# KiCad board Boom-1.kicad_pcb
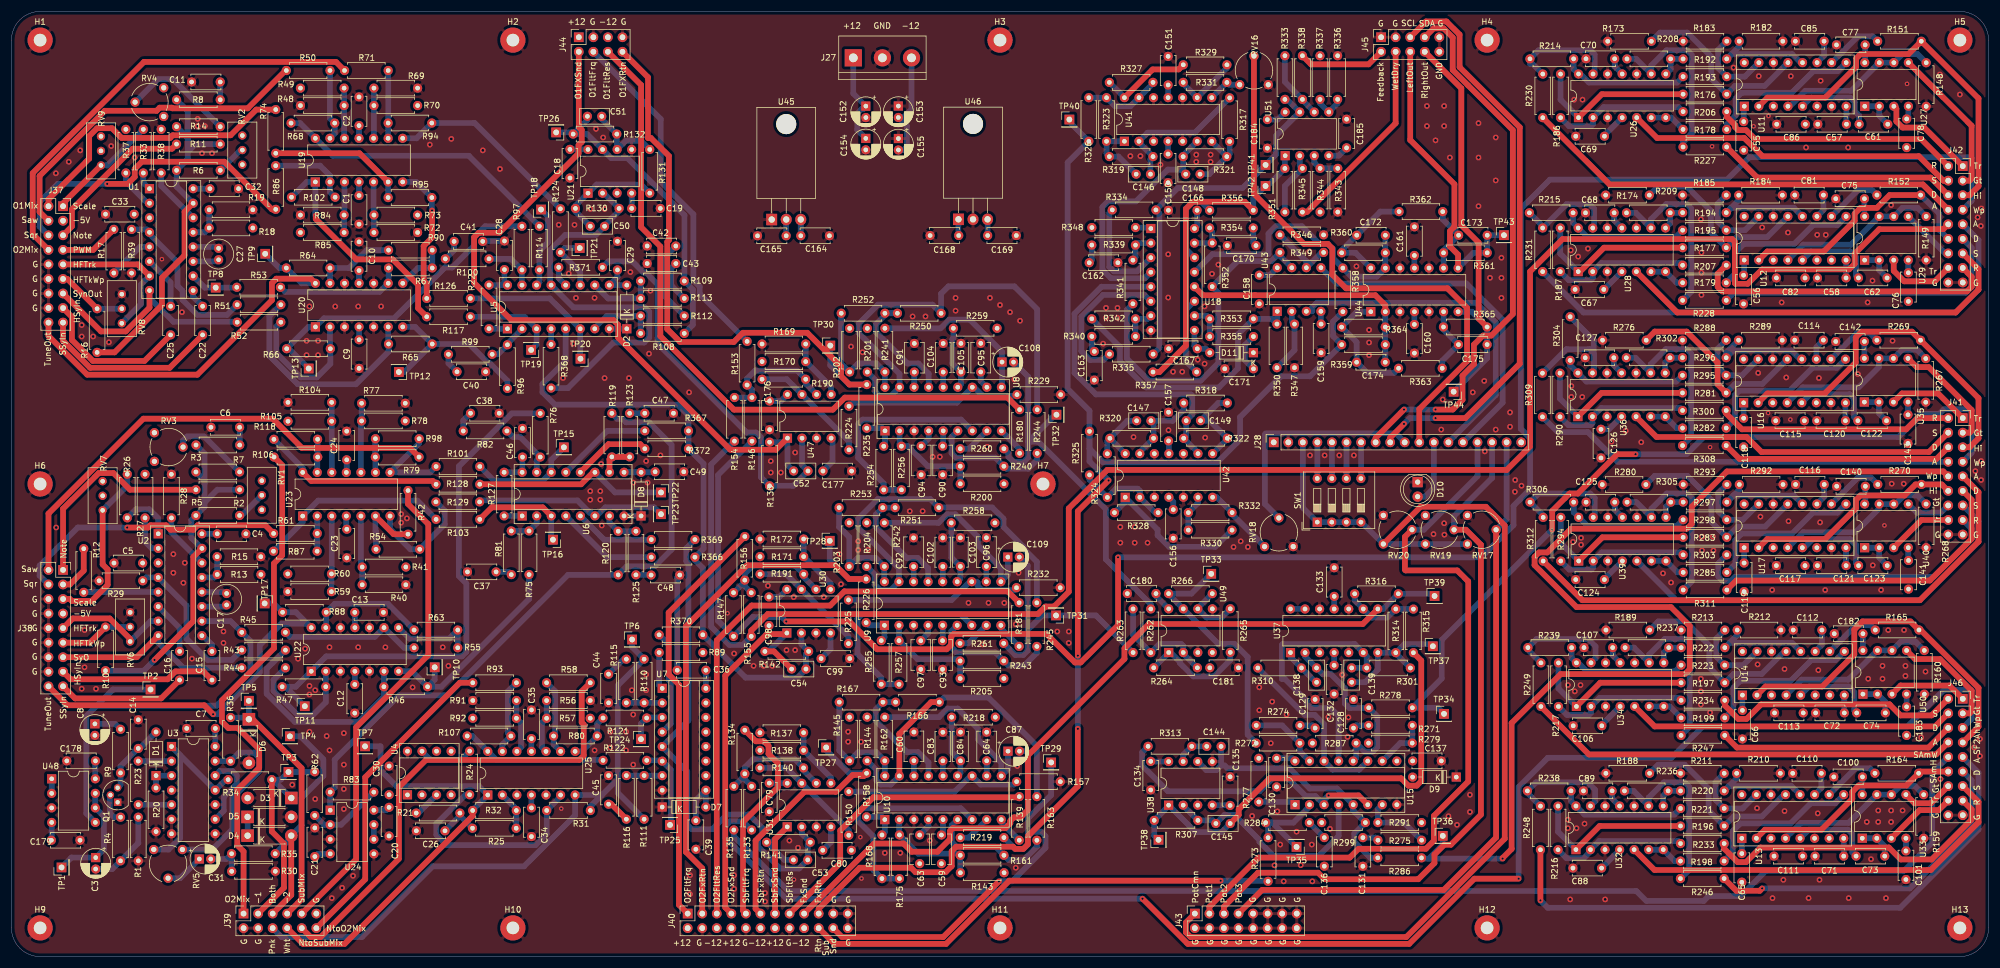
[diagram p0: board, top side]
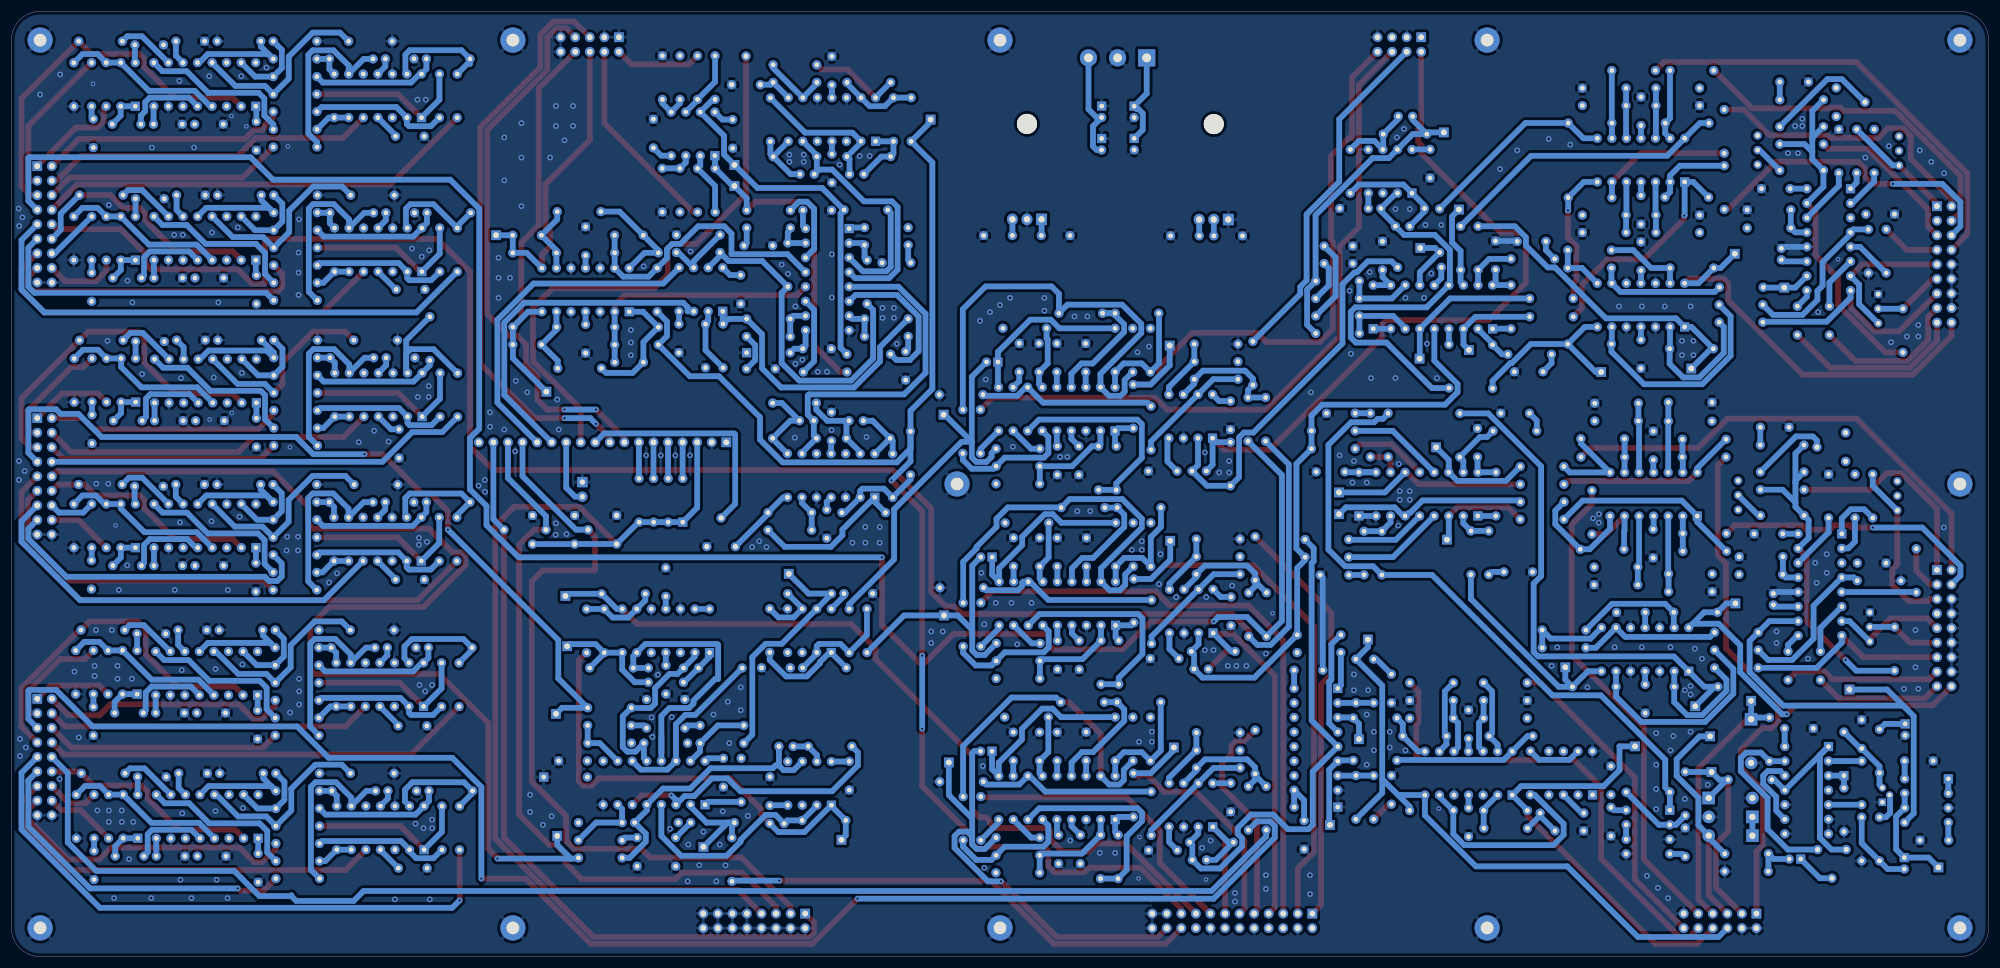
[diagram p1: board, bottom side, seen from below]

Outline 345 x 165 mm; copper layers: Top, +12V.Cu (plane), -12V.Cu (plane), Bottom. Coordinates in mm from the lower left corner of the outline.
Outline path: 0,160 arc(1.46,163.54) 5,165 340,165 arc(343.54,163.54) 345,160 345,5 arc(343.54,1.46) 340,0 5,0 arc(1.46,1.46) 0,5 0,160

## Placement (name value [footprint] x y rotation side)
C1  100nF  [C_Disc_D5.0mm_W2.5mm_P5.00mm]  60.65 127.87 90 top
C2  100nF  [C_Disc_D5.0mm_W2.5mm_P5.00mm]  60.65 145.08 90 top
C3  47uF  [CP_Radial_D5.0mm_P2.00mm]  14.7 17.28 270 top
C4  100nF  [C_Disc_D5.0mm_W2.5mm_P5.00mm]  35.91 73.81 0 top
C5  100nF  [C_Disc_D5.0mm_W2.5mm_P5.00mm]  17.89 68.71 0 top
C6  10nF  [C_Disc_D5.0mm_W2.5mm_P5.00mm]  34.81 92.41 0 top
C7  100nF  [C_Disc_D5.0mm_W2.5mm_P5.00mm]  30.58 39.83 0 top
C8  100uF  [CP_Radial_D5.0mm_P2.00mm]  14.56 40.62 270 top
C9  100nF  [C_Disc_D5.0mm_W2.5mm_P5.00mm]  60.66 102.69 90 top
C10  100nF  [C_Disc_D5.0mm_W2.5mm_P5.00mm]  60.65 119.77 90 top
C11  10nF  [C_Disc_D5.0mm_W2.5mm_P5.00mm]  31.43 152.69 0 top
C12  100nF  [C_Disc_D5.0mm_W2.5mm_P5.00mm]  59.91 42.5 90 top
C13  100nF  [C_Disc_D5.0mm_W2.5mm_P5.00mm]  59.91 60.09 0 top
C14  10nF  [C_Disc_D5.0mm_W2.5mm_P5.00mm]  22.13 36.33 90 top
C15  10nF  [C_Disc_D5.0mm_W2.5mm_P5.00mm]  34.98 48.28 90 top
C16  10nF  [C_Disc_D5.0mm_W2.5mm_P5.00mm]  29.34 48.28 90 top
C17  1000pF  [C_Radial_D5.0mm_H11.0mm_P2.00mm]  37.55 63.39 270 top
C18  100nF  [C_Disc_D5.0mm_W2.5mm_P5.00mm]  97.46 135.92 90 top
C19  100nF  [C_Disc_D5.0mm_W2.5mm_P5.00mm]  108.23 130.61 0 top
C20  100nF  [C_Disc_D5.0mm_W2.5mm_P5.00mm]  65.89 21.05 90 top
C21  100nF  [C_Disc_D5.0mm_W2.5mm_P5.00mm]  52.94 17.46 90 top
C22  10nF  [C_Disc_D5.0mm_W2.5mm_P5.00mm]  33.35 108.53 90 top
C23  100nF  [C_Disc_D5.0mm_W2.5mm_P5.00mm]  58.52 69.61 90 top
C24  100nF  [C_Disc_D5.0mm_W2.5mm_P5.00mm]  58.5 86.72 90 top
C25  10nF  [C_Disc_D5.0mm_W2.5mm_P5.00mm]  27.77 108.53 90 top
C26  10nF  [C_Disc_D5.0mm_W2.5mm_P5.00mm]  75.65 21.95 180 top
C27  1000pF  [C_Radial_D5.0mm_H11.0mm_P2.00mm]  36.15 123.64 270 top
C28  100nF  [C_Disc_D5.0mm_W2.5mm_P5.00mm]  86.03 119.93 90 top
C29  100nF  [C_Disc_D5.0mm_W2.5mm_P5.00mm]  105.75 124.87 270 top
C30  100nF  [C_Disc_D5.0mm_W2.5mm_P5.00mm]  65.9 28.25 90 top
C31  47uF  [CP_Radial_D5.0mm_P2.00mm]  32.78 17.03 0 top
C32  100nF  [C_Disc_D5.0mm_W2.5mm_P5.00mm]  34.62 134.06 0 top
C33  100nF  [C_Disc_D5.0mm_W2.5mm_P5.00mm]  16.41 129.61 0 top
C34  100nF  [C_Disc_D5.0mm_W2.5mm_P5.00mm]  90.74 20.95 90 top
C35  100nF  [C_Disc_D5.0mm_W2.5mm_P5.00mm]  90.74 38.05 90 top
C36  100nF  [C_Disc_D5.0mm_W2.5mm_P5.00mm]  121.18 49.99 180 top
C37  560pF  [C_Disc_D5.0mm_W2.5mm_P5.00mm]  84.57 67.16 180 top
C38  560pF  [C_Disc_D5.0mm_W2.5mm_P5.00mm]  80.11 94.86 0 top
C39  100nF  [C_Disc_D5.0mm_W2.5mm_P5.00mm]  119.43 18.73 90 top
C40  560pF  [C_Disc_D5.0mm_W2.5mm_P5.00mm]  77.75 102.1 0 top
C41  560pF  [C_Disc_D5.0mm_W2.5mm_P5.00mm]  77.24 124.85 0 top
C42  560pF  [C_Disc_D5.0mm_W2.5mm_P5.00mm]  115.93 124.05 180 top
C43  560pF  [C_Disc_D5.0mm_W2.5mm_P5.00mm]  115.93 120.99 180 top
C44  560pF  [C_Disc_D5.0mm_W2.5mm_P5.00mm]  104.2 49.3 270 top
C45  560pF  [C_Disc_D5.0mm_W2.5mm_P5.00mm]  104.2 26.6 90 top
C46  100nF  [C_Disc_D5.0mm_W2.5mm_P5.00mm]  89.17 87.2 90 top
C47  560pF  [C_Disc_D5.0mm_W2.5mm_P5.00mm]  110.52 94.86 0 top
C48  560pF  [C_Disc_D5.0mm_W2.5mm_P5.00mm]  111.62 66.6 0 top
C49  100nF  [C_Disc_D5.0mm_W2.5mm_P5.00mm]  117.32 84.63 180 top
C50  100pF  [C_Disc_D5.0mm_W2.5mm_P2.50mm]  103.5 127.5 180 top
C51  100pF  [C_Disc_D5.0mm_W2.5mm_P2.50mm]  103 146.69 180 top
C52  100pF  [C_Disc_D5.0mm_W2.5mm_P2.50mm]  138.99 84.77 180 top
C53  100pF  [C_Disc_D5.0mm_W2.5mm_P2.50mm]  138.95 16.87 180 top
C54  100pF  [C_Disc_D5.0mm_W2.5mm_P2.50mm]  138.64 50.19 180 top
C55  39nF  [C_Disc_D5.0mm_W2.5mm_P5.00mm]  302.28 145.78 270 top
C56  39nF  [C_Disc_D5.0mm_W2.5mm_P5.00mm]  302.25 118.95 270 top
C57  10nF  [C_Disc_D5.0mm_W2.5mm_P5.00mm]  315.21 145.32 0 top
C58  10nF  [C_Disc_D5.0mm_W2.5mm_P5.00mm]  315.14 118.48 0 top
C59  150pF  [C_Disc_D5.1mm_W3.2mm_P5.00mm]  162.28 16.22 90 top
C60  150pF  [C_Disc_D5.1mm_W3.2mm_P5.00mm]  157.48 34.19 90 top
C61  3nF  [C_Disc_D5.0mm_W2.5mm_P5.00mm]  322.42 145.32 0 top
C62  3nF  [C_Disc_D5.0mm_W2.5mm_P5.00mm]  322.3 118.48 0 top
C63  150pF  [C_Disc_D5.1mm_W3.2mm_P5.00mm]  158.48 21.22 270 top
C64  150pF  [C_Disc_D5.1mm_W3.2mm_P5.00mm]  170.18 34.17 90 top
C65  39nF  [C_Disc_D5.0mm_W2.5mm_P5.00mm]  301.95 17.98 270 top
C66  39nF  [C_Disc_D5.0mm_W2.5mm_P5.00mm]  302.05 42.98 270 top
C67  100nF  [C_Disc_D5.0mm_W2.5mm_P5.00mm]  272.86 116.47 0 top
C68  100nF  [C_Disc_D5.0mm_W2.5mm_P5.00mm]  279.67 129.85 180 top
C69  100nF  [C_Disc_D5.0mm_W2.5mm_P5.00mm]  272.98 143.22 0 top
C70  100nF  [C_Disc_D5.0mm_W2.5mm_P5.00mm]  279.76 156.74 180 top
C71  10nF  [C_Disc_D5.0mm_W2.5mm_P5.00mm]  314.73 17.53 0 top
C72  10nF  [C_Disc_D5.0mm_W2.5mm_P5.00mm]  314.83 42.53 0 top
C73  3nF  [C_Disc_D5.0mm_W2.5mm_P5.00mm]  321.89 17.53 0 top
C74  3nF  [C_Disc_D5.0mm_W2.5mm_P5.00mm]  321.99 42.53 0 top
C75  100nF  [C_Disc_D5.0mm_W2.5mm_P5.00mm]  318.35 132.31 0 top
C76  100nF  [C_Disc_D5.0mm_W2.5mm_P5.00mm]  331.01 119.39 270 top
C77  100nF  [C_Disc_D5.0mm_W2.5mm_P5.00mm]  318.47 159.17 0 top
C78  100nF  [C_Disc_D5.0mm_W2.5mm_P5.00mm]  330.72 146.24 270 top
C79  100nF  [C_Disc_D5.0mm_W2.5mm_P5.00mm]  132.24 25.28 90 top
C80  100nF  [C_Disc_D5.0mm_W2.5mm_P5.00mm]  141.57 18.55 0 top
C81  100nF  [C_Disc_D5.0mm_W2.5mm_P5.00mm]  311.19 132.95 0 top
C82  100nF  [C_Disc_D5.0mm_W2.5mm_P5.00mm]  312.98 118.48 180 top
C83  100nF  [C_Disc_D5.0mm_W2.5mm_P5.00mm]  162.54 34.16 90 top
C84  100nF  [C_Disc_D5.0mm_W2.5mm_P5.00mm]  165.6 39.17 270 top
C85  100nF  [C_Disc_D5.0mm_W2.5mm_P5.00mm]  311.3 159.81 0 top
C86  100nF  [C_Disc_D5.0mm_W2.5mm_P5.00mm]  313.04 145.32 180 top
C87  1uF  [CP_Radial_D5.0mm_P2.00mm]  173.9 35.85 0 top
C88  100nF  [C_Disc_D5.0mm_W2.5mm_P5.00mm]  272.48 15.44 0 top
C89  100nF  [C_Disc_D5.0mm_W2.5mm_P5.00mm]  279.31 28.92 180 top
C90  150pF  [C_Disc_D5.1mm_W3.2mm_P5.00mm]  162.5 84.11 90 top
C91  150pF  [C_Disc_D5.1mm_W3.2mm_P5.00mm]  157.55 102.04 90 top
C92  150pF  [C_Disc_D5.1mm_W3.2mm_P5.00mm]  157.42 68.09 90 top
C93  150pF  [C_Disc_D5.1mm_W3.2mm_P5.00mm]  162.47 50.14 90 top
C94  150pF  [C_Disc_D5.1mm_W3.2mm_P5.00mm]  158.74 89.11 270 top
C95  150pF  [C_Disc_D5.1mm_W3.2mm_P5.00mm]  169.14 102.06 90 top
C96  150pF  [C_Disc_D5.1mm_W3.2mm_P5.00mm]  170.13 68.11 90 top
C97  150pF  [C_Disc_D5.1mm_W3.2mm_P5.00mm]  158.68 55.14 270 top
C98  100nF  [C_Disc_D5.0mm_W2.5mm_P5.00mm]  132.19 57.78 90 top
C99  100nF  [C_Disc_D5.0mm_W2.5mm_P5.00mm]  141.28 52.02 0 top
C100  100nF  [C_Disc_D5.0mm_W2.5mm_P5.00mm]  318 31.36 0 top
C101  100nF  [C_Disc_D5.0mm_W2.5mm_P5.00mm]  330.59 18.44 270 top
C102  100nF  [C_Disc_D5.0mm_W2.5mm_P5.00mm]  162.52 68.09 90 top
C103  100nF  [C_Disc_D5.0mm_W2.5mm_P5.00mm]  165.58 73.1 270 top
C104  100nF  [C_Disc_D5.0mm_W2.5mm_P5.00mm]  162.59 102.04 90 top
C105  100nF  [C_Disc_D5.0mm_W2.5mm_P5.00mm]  165.68 107.05 270 top
C106  100nF  [C_Disc_D5.0mm_W2.5mm_P5.00mm]  272.52 40.28 0 top
C107  100nF  [C_Disc_D5.0mm_W2.5mm_P5.00mm]  279.41 53.93 180 top
C108  1uF  [CP_Radial_D5.0mm_P2.00mm]  172.86 103.79 0 top
C109  1uF  [CP_Radial_D5.0mm_P2.00mm]  173.87 69.74 0 top
C110  100nF  [C_Disc_D5.0mm_W2.5mm_P5.00mm]  310.83 31.99 0 top
C111  100nF  [C_Disc_D5.0mm_W2.5mm_P5.00mm]  312.57 17.53 180 top
C112  100nF  [C_Disc_D5.0mm_W2.5mm_P5.00mm]  310.92 57 0 top
C113  100nF  [C_Disc_D5.0mm_W2.5mm_P5.00mm]  312.66 42.53 180 top
C114  100nF  [C_Disc_D5.0mm_W2.5mm_P5.00mm]  311.18 107.62 0 top
C115  100nF  [C_Disc_D5.0mm_W2.5mm_P5.00mm]  312.87 93.55 180 top
C116  100nF  [C_Disc_D5.0mm_W2.5mm_P5.00mm]  311.33 82.42 0 top
C117  100nF  [C_Disc_D5.0mm_W2.5mm_P5.00mm]  312.98 68.25 180 top
C118  39nF  [C_Disc_D5.0mm_W2.5mm_P5.00mm]  302.27 93.98 270 top
C119  39nF  [C_Disc_D5.0mm_W2.5mm_P5.00mm]  302.35 68.71 270 top
C120  10nF  [C_Disc_D5.0mm_W2.5mm_P5.00mm]  315.04 93.55 0 top
C121  10nF  [C_Disc_D5.0mm_W2.5mm_P5.00mm]  315.15 68.25 0 top
C122  3nF  [C_Disc_D5.0mm_W2.5mm_P5.00mm]  322.2 93.55 0 top
C123  3nF  [C_Disc_D5.0mm_W2.5mm_P5.00mm]  322.32 68.25 0 top
C124  100nF  [C_Disc_D5.0mm_W2.5mm_P5.00mm]  272.97 65.81 0 top
C125  100nF  [C_Disc_D5.0mm_W2.5mm_P5.00mm]  279.78 79.33 180 top
C126  100nF  [C_Disc_D5.0mm_W2.5mm_P5.00mm]  277.37 87.05 90 top
C127  100nF  [C_Disc_D5.0mm_W2.5mm_P5.00mm]  279.62 104.54 180 top
C128  560pF  [C_Disc_D5.0mm_W2.5mm_P5.00mm]  234.18 39.89 90 top
C129  560pF  [C_Disc_D5.0mm_W2.5mm_P5.00mm]  227.49 39.89 90 top
C130  100nF  [C_Disc_D5.0mm_W2.5mm_P5.00mm]  220.77 34.61 270 top
C131  560pF  [C_Disc_D5.0mm_W2.5mm_P5.00mm]  235.82 20.76 270 top
C132  100nF  [C_Disc_D5.0mm_W2.5mm_P5.00mm]  230.8 45.84 90 top
C133  100nF  [C_Disc_D5.0mm_W2.5mm_P5.00mm]  230.82 62.88 90 top
C134  100nF  [C_Disc_D5.0mm_W2.5mm_P5.00mm]  198.8 29.08 90 top
C135  100nF  [C_Disc_D5.0mm_W2.5mm_P5.00mm]  212.65 26.38 90 top
C136  560pF  [C_Disc_D5.0mm_W2.5mm_P5.00mm]  229.09 20.77 270 top
C137  100nF  [C_Disc_D5.0mm_W2.5mm_P5.00mm]  249.51 34.15 180 top
C138  100pF  [C_Disc_D5.0mm_W2.5mm_P2.50mm]  227.74 47.88 90 top
C139  100pF  [C_Disc_D5.0mm_W2.5mm_P2.50mm]  233.87 50.39 270 top
C140  100nF  [C_Disc_D5.0mm_W2.5mm_P5.00mm]  318.51 82.1 0 top
C141  100nF  [C_Disc_D5.0mm_W2.5mm_P5.00mm]  331.04 69.15 270 top
C142  100nF  [C_Disc_D5.0mm_W2.5mm_P5.00mm]  318.34 107.38 0 top
C143  100nF  [C_Disc_D5.0mm_W2.5mm_P5.00mm]  330.95 94.59 270 top
C144  100pF  [C_Disc_D5.0mm_W2.5mm_P2.50mm]  208.58 36.69 0 top
C145  100pF  [C_Disc_D5.0mm_W2.5mm_P2.50mm]  210.17 23.23 0 top
C146  100pF  [C_Disc_D5.0mm_W2.5mm_P2.50mm]  196.26 136.59 0 top
C147  100pF  [C_Disc_D5.0mm_W2.5mm_P2.50mm]  196.34 93.55 0 top
C148  100pF  [C_Disc_D5.0mm_W2.5mm_P2.50mm]  207.41 136.59 180 top
C149  100pF  [C_Disc_D5.0mm_W2.5mm_P2.50mm]  207.49 93.56 180 top
C150  100nF  [C_Disc_D5.0mm_W2.5mm_P5.00mm]  201.83 135.1 90 top
C151  100nF  [C_Disc_D5.0mm_W2.5mm_P5.00mm]  201.84 152.16 90 top
C152  2.2uF  [CP_Radial_D5.0mm_P2.00mm]  149.09 148.48 270 top
C153  2.2uF  [CP_Radial_D5.0mm_P2.00mm]  154.76 148.49 270 top
C154  10uF  [CP_Radial_D5.0mm_P2.00mm]  149.08 142.84 270 top
C155  10uF  [CP_Radial_D5.0mm_P2.00mm]  154.77 142.82 270 top
C156  100nF  [C_Disc_D5.0mm_W2.5mm_P5.00mm]  202.73 73.03 90 top
C157  100nF  [C_Disc_D5.0mm_W2.5mm_P5.00mm]  201.91 90.03 90 top
C158  100nF  [C_Disc_D5.0mm_W2.5mm_P5.00mm]  217.75 113.96 90 top
C159  100nF  [C_Disc_D5.0mm_W2.5mm_P5.00mm]  228.53 110.42 270 top
C160  100nF  [C_Disc_D5.0mm_W2.5mm_P5.00mm]  244.81 105.36 90 top
C161  100nF  [C_Disc_D5.0mm_W2.5mm_P5.00mm]  244.81 122.4 90 top
C162  560pF  [C_Disc_D5.0mm_W2.5mm_P5.00mm]  188.07 121.13 0 top
C163  560pF  [C_Disc_D5.0mm_W2.5mm_P5.00mm]  188.96 105.64 270 top
C164  100nF  [C_Disc_D5.0mm_W2.5mm_P5.00mm]  137.74 125.84 0 top
C165  100nF  [C_Disc_D5.0mm_W2.5mm_P5.00mm]  130.19 125.83 0 top
C166  100nF  [C_Disc_D5.0mm_W2.5mm_P5.00mm]  206.89 130.28 180 top
C167  100nF  [C_Disc_D5.0mm_W2.5mm_P5.00mm]  201.93 106.11 0 top
C168  100nF  [C_Disc_D5.0mm_W2.5mm_P5.00mm]  165.3 125.88 180 top
C169  100nF  [C_Disc_D5.0mm_W2.5mm_P5.00mm]  175.35 125.88 180 top
C170  560pF  [C_Disc_D5.0mm_W2.5mm_P5.00mm]  217.17 124.12 180 top
C171  560pF  [C_Disc_D5.0mm_W2.5mm_P5.00mm]  216.73 102.61 180 top
C172  100pF  [C_Disc_D5.0mm_W2.5mm_P5.00mm]  234.75 125.93 0 top
C173  100pF  [C_Disc_D5.0mm_W2.5mm_P5.00mm]  257.52 125.93 180 top
C174  100pF  [C_Disc_D5.0mm_W2.5mm_P5.00mm]  234.73 103.76 0 top
C175  100pF  [C_Disc_D5.0mm_W2.5mm_P5.00mm]  257.5 106.84 180 top
C176  100nF  [C_Disc_D5.0mm_W2.5mm_P5.00mm]  132.29 91.98 90 top
C177  100nF  [C_Disc_D5.0mm_W2.5mm_P5.00mm]  141.61 84.76 0 top
C178  100nF  [C_Disc_D5.0mm_W2.5mm_P5.00mm]  9.66 34.16 0 top
C179  100nF  [C_Disc_D5.0mm_W2.5mm_P5.00mm]  6.96 20.31 0 top
C180  100nF  [C_Disc_D5.0mm_W2.5mm_P5.00mm]  194.72 63.37 0 top
C181  100nF  [C_Disc_D5.0mm_W2.5mm_P5.00mm]  209.11 50.41 0 top
C182  100nF  [C_Disc_D5.0mm_W2.5mm_P5.00mm]  318.08 56.36 0 top
C183  100nF  [C_Disc_D5.0mm_W2.5mm_P5.00mm]  330.7 43.6 270 top
C184  100nF  [C_Disc_D5.0mm_W2.5mm_P5.00mm]  219.15 141.13 90 top
C185  100nF  [C_Disc_D5.0mm_W2.5mm_P5.00mm]  232.98 141.19 90 top
D1  1N4148  [D_DO-35_SOD27_P7.62mm_Horizontal]  25.23 31.59 90 top
D2  BAT85  [D_DO-35_SOD27_P7.62mm_Horizontal]  107.38 109.6 90 top
D3  1N4733 (5.1V Zener)  [D_DO-41_SOD81_P7.62mm_Horizontal]  48.83 27.68 180 top
D4  1N4733 (5.1V Zener)  [D_DO-41_SOD81_P7.62mm_Horizontal]  41.2 21.1 0 top
D5  1N4733 (5.1V Zener)  [D_DO-41_SOD81_P7.62mm_Horizontal]  41.2 24.38 0 top
D6  1N4733 (5.1V Zener)  [D_DO-41_SOD81_P7.62mm_Horizontal]  41.43 41.43 270 top
D7  BAT85  [D_DO-35_SOD27_P7.62mm_Horizontal]  113.55 26.1 0 top
D8  BAT85  [D_DO-35_SOD27_P7.62mm_Horizontal]  109.87 76.93 90 top
D9  BAT85  [D_DO-35_SOD27_P7.62mm_Horizontal]  252.12 31.33 180 top
D10  LED  [LED_D5.0mm]  245.38 82.83 270 top
D11  BAT85  [D_DO-35_SOD27_P7.62mm_Horizontal]  216.72 105.42 180 top
H1  MountingHole_Pad  [MountingHole_2.2mm_M2_Pad]  5 160 0 top
H2  MountingHole_Pad  [MountingHole_2.2mm_M2_Pad]  87.5 160 0 top
H3  MountingHole_Pad  [MountingHole_2.2mm_M2_Pad]  172.5 160 0 top
H4  MountingHole_Pad  [MountingHole_2.2mm_M2_Pad]  257.5 160 0 top
H5  MountingHole_Pad  [MountingHole_2.2mm_M2_Pad]  340 160 0 top
H6  MountingHole_Pad  [MountingHole_2.2mm_M2_Pad]  5 82.5 0 top
H7  MountingHole_Pad  [MountingHole_2.2mm_M2_Pad]  180 82.5 0 top
H9  MountingHole_Pad  [MountingHole_2.2mm_M2_Pad]  5 5 0 top
H10  MountingHole_Pad  [MountingHole_2.2mm_M2_Pad]  87.5 5 0 top
H11  MountingHole_Pad  [MountingHole_2.2mm_M2_Pad]  172.5 5 0 top
H12  MountingHole_Pad  [MountingHole_2.2mm_M2_Pad]  257.5 5 0 top
H13  MountingHole_Pad  [MountingHole_2.2mm_M2_Pad]  340 5 0 top
J27  PowerConn  [TerminalBlock_bornier-3_P5.08mm]  146.9 156.9 0 top
J28  FV1Conn  [PinSocket_1x18_P2.54mm_Vertical]  220.26 89.78 90 top
J37  Osc1Conn  [PinSocket_2x09_P2.54mm_Vertical]  9 131 0 top
J38  Osc2Conn  [PinSocket_2x09_P2.54mm_Vertical]  9 67.5 0 top
J39  SubNoiseConn  [PinSocket_2x06_P2.54mm_Vertical]  40.5 7.5 90 top
J40  FiltConn2  [PinSocket_2x12_P2.54mm_Vertical]  118 7.5 90 top
J41  EnvGenConn2  [PinSocket_2x09_P2.54mm_Vertical]  340.5 94 0 top
J42  EnvGenConn1  [PinSocket_2x09_P2.54mm_Vertical]  340.5 138 0 top
J43  FXConn1  [PinSocket_2x08_P2.54mm_Vertical]  206.5 7.5 90 top
J44  FiltConn1  [PinSocket_2x04_P2.54mm_Vertical]  99 160.5 90 top
J45  FXConn2  [PinSocket_2x05_P2.54mm_Vertical]  239 160.5 90 top
J46  EnvGenConn3  [PinSocket_2x09_P2.54mm_Vertical]  340.5 45 0 top
Q1  2N3904  [TO-92]  18.53 26.93 90 top
R1  100K  [R_Axial_DIN0207_L6.3mm_D2.5mm_P7.62mm_Horizontal]  22.13 24.33 270 top
R2  3.3M  [R_Axial_DIN0207_L6.3mm_D2.5mm_P7.62mm_Horizontal]  39.81 77 180 top
R3  470R  [R_Axial_DIN0207_L6.3mm_D2.5mm_P7.62mm_Horizontal]  32.21 89.31 0 top
R4  10K  [R_Axial_DIN0207_L6.3mm_D2.5mm_P7.62mm_Horizontal]  19.03 24.33 270 top
R5  100K  [R_Axial_DIN0207_L6.3mm_D2.5mm_P7.62mm_Horizontal]  39.81 81.5 180 top
R6  3.3M  [R_Axial_DIN0207_L6.3mm_D2.5mm_P7.62mm_Horizontal]  36.43 137.26 180 top
R7  100K  [R_Axial_DIN0207_L6.3mm_D2.5mm_P7.62mm_Horizontal]  39.81 84.61 180 top
R8  470R  [R_Axial_DIN0207_L6.3mm_D2.5mm_P7.62mm_Horizontal]  28.81 149.58 0 top
R9  3.3K  [R_Axial_DIN0207_L6.3mm_D2.5mm_P7.62mm_Horizontal]  19.03 39.68 270 top
R10  1M  [R_Axial_DIN0207_L6.3mm_D2.5mm_P7.62mm_Horizontal]  16.41 49.91 90 top
R11  100K  [R_Axial_DIN0207_L6.3mm_D2.5mm_P7.62mm_Horizontal]  36.43 141.84 180 top
R12  100K  [R_Axial_DIN0207_L6.3mm_D2.5mm_P7.62mm_Horizontal]  12.61 71.2 270 top
R13  1.5M  [R_Axial_DIN0207_L6.3mm_D2.5mm_P7.62mm_Horizontal]  35.91 66.71 0 top
R14  100K  [R_Axial_DIN0207_L6.3mm_D2.5mm_P7.62mm_Horizontal]  36.43 144.88 180 top
R15  470R  [R_Axial_DIN0207_L6.3mm_D2.5mm_P7.62mm_Horizontal]  43.51 69.81 180 top
R16  1M  [R_Axial_DIN0207_L6.3mm_D2.5mm_P7.62mm_Horizontal]  14.94 105.48 90 top
R17  100K  [R_Axial_DIN0207_L6.3mm_D2.5mm_P7.62mm_Horizontal]  17.86 126.96 270 top
R18  1.5M  [R_Axial_DIN0207_L6.3mm_D2.5mm_P7.62mm_Horizontal]  34.5 127.2 0 top
R19  470R  [R_Axial_DIN0207_L6.3mm_D2.5mm_P7.62mm_Horizontal]  42.12 130.38 180 top
R20  100K  [R_Axial_DIN0207_L6.3mm_D2.5mm_P7.62mm_Horizontal]  25.23 29.43 270 top
R21  820R  [R_Axial_DIN0207_L6.3mm_D2.5mm_P7.62mm_Horizontal]  78.25 25.05 180 top
R22  7.5K  [R_Axial_DIN0207_L6.3mm_D2.5mm_P7.62mm_Horizontal]  83.34 109.61 90 top
R23  56K  [R_Axial_DIN0207_L6.3mm_D2.5mm_P7.62mm_Horizontal]  22.13 34.13 270 top
R24  30K  [R_Axial_DIN0207_L6.3mm_D2.5mm_P7.62mm_Horizontal]  79.95 28.25 90 top
R25  30K  [R_Axial_DIN0207_L6.3mm_D2.5mm_P7.62mm_Horizontal]  80.45 22.4 0 top
R26  24K  [R_Axial_DIN0207_L6.3mm_D2.5mm_P7.62mm_Horizontal]  20.21 84.2 270 top
R27  5K6  [R_Axial_DIN0207_L6.3mm_D2.5mm_P7.62mm_Horizontal]  23.31 84.2 270 top
R28  1K8  [R_Axial_DIN0207_L6.3mm_D2.5mm_P7.62mm_Horizontal]  27.91 84.2 270 top
R29  10K  [R_Axial_DIN0207_L6.3mm_D2.5mm_P7.62mm_Horizontal]  22.91 65.6 180 top
R30  100K  [R_Axial_DIN0207_L6.3mm_D2.5mm_P7.62mm_Horizontal]  38.43 14.88 0 top
R31  30K  [R_Axial_DIN0207_L6.3mm_D2.5mm_P7.62mm_Horizontal]  93.4 25.5 0 top
R32  30K  [R_Axial_DIN0207_L6.3mm_D2.5mm_P7.62mm_Horizontal]  88.1 25.5 180 top
R33  24K  [R_Axial_DIN0207_L6.3mm_D2.5mm_P7.62mm_Horizontal]  23.01 144.42 270 top
R34  1K  [R_Axial_DIN0207_L6.3mm_D2.5mm_P7.62mm_Horizontal]  45.43 30.88 180 top
R35  1K  [R_Axial_DIN0207_L6.3mm_D2.5mm_P7.62mm_Horizontal]  46.03 17.96 180 top
R36  1K  [R_Axial_DIN0207_L6.3mm_D2.5mm_P7.62mm_Horizontal]  38.23 41.73 270 top
R37  5K6  [R_Axial_DIN0207_L6.3mm_D2.5mm_P7.62mm_Horizontal]  19.96 144.42 270 top
R38  1K8  [R_Axial_DIN0207_L6.3mm_D2.5mm_P7.62mm_Horizontal]  26.13 144.42 270 top
R39  10K  [R_Axial_DIN0207_L6.3mm_D2.5mm_P7.62mm_Horizontal]  20.96 126.95 270 top
R40  30K  [R_Axial_DIN0207_L6.3mm_D2.5mm_P7.62mm_Horizontal]  68.82 64.91 180 top
R41  30K  [R_Axial_DIN0207_L6.3mm_D2.5mm_P7.62mm_Horizontal]  68.82 68 180 top
R42  30K  [R_Axial_DIN0207_L6.3mm_D2.5mm_P7.62mm_Horizontal]  69.2 81.36 270 top
R43  30K  [R_Axial_DIN0207_L6.3mm_D2.5mm_P7.62mm_Horizontal]  47.81 53.5 180 top
R44  30K  [R_Axial_DIN0207_L6.3mm_D2.5mm_P7.62mm_Horizontal]  47.81 50.41 180 top
R45  39K  [R_Axial_DIN0207_L6.3mm_D2.5mm_P7.62mm_Horizontal]  47.81 56.6 180 top
R46  10K  [R_Axial_DIN0207_L6.3mm_D2.5mm_P7.62mm_Horizontal]  72.61 47.1 180 top
R47  15K  [R_Axial_DIN0207_L6.3mm_D2.5mm_P7.62mm_Horizontal]  47.23 47.1 0 top
R48  30K  [R_Axial_DIN0207_L6.3mm_D2.5mm_P7.62mm_Horizontal]  50.43 148.57 0 top
R49  30K  [R_Axial_DIN0207_L6.3mm_D2.5mm_P7.62mm_Horizontal]  50.43 151.62 0 top
R50  30K  [R_Axial_DIN0207_L6.3mm_D2.5mm_P7.62mm_Horizontal]  47.96 154.69 0 top
R51  30K  [R_Axial_DIN0207_L6.3mm_D2.5mm_P7.62mm_Horizontal]  47.01 113.8 180 top
R52  30K  [R_Axial_DIN0207_L6.3mm_D2.5mm_P7.62mm_Horizontal]  47.01 110.75 180 top
R53  39K  [R_Axial_DIN0207_L6.3mm_D2.5mm_P7.62mm_Horizontal]  46.94 116.85 180 top
R54  30K  [R_Axial_DIN0207_L6.3mm_D2.5mm_P7.62mm_Horizontal]  63.62 71.11 0 top
R55  33K  [R_Axial_DIN0207_L6.3mm_D2.5mm_P7.62mm_Horizontal]  77.88 53.91 180 top
R56  30K  [R_Axial_DIN0207_L6.3mm_D2.5mm_P7.62mm_Horizontal]  101 44.7 180 top
R57  30K  [R_Axial_DIN0207_L6.3mm_D2.5mm_P7.62mm_Horizontal]  101 41.6 180 top
R58  30K  [R_Axial_DIN0207_L6.3mm_D2.5mm_P7.62mm_Horizontal]  101 47.8 180 top
R59  30K  [R_Axial_DIN0207_L6.3mm_D2.5mm_P7.62mm_Horizontal]  48.22 63.71 0 top
R60  30K  [R_Axial_DIN0207_L6.3mm_D2.5mm_P7.62mm_Horizontal]  48.22 66.81 0 top
R61  30K  [R_Axial_DIN0207_L6.3mm_D2.5mm_P7.62mm_Horizontal]  45.74 73.86 0 top
R62  30K  [R_Axial_DIN0207_L6.3mm_D2.5mm_P7.62mm_Horizontal]  52.92 24.63 90 top
R63  30K  [R_Axial_DIN0207_L6.3mm_D2.5mm_P7.62mm_Horizontal]  77.88 57 180 top
R64  30K  [R_Axial_DIN0207_L6.3mm_D2.5mm_P7.62mm_Horizontal]  47.96 120.22 0 top
R65  10K  [R_Axial_DIN0207_L6.3mm_D2.5mm_P7.62mm_Horizontal]  73.42 106.94 180 top
R66  15K  [R_Axial_DIN0207_L6.3mm_D2.5mm_P7.62mm_Horizontal]  48.02 106.12 0 top
R67  33K  [R_Axial_DIN0207_L6.3mm_D2.5mm_P7.62mm_Horizontal]  73.42 120.22 180 top
R68  30K  [R_Axial_DIN0207_L6.3mm_D2.5mm_P7.62mm_Horizontal]  56.41 145.51 180 top
R69  30K  [R_Axial_DIN0207_L6.3mm_D2.5mm_P7.62mm_Horizontal]  70.87 151.62 180 top
R70  30K  [R_Axial_DIN0207_L6.3mm_D2.5mm_P7.62mm_Horizontal]  70.87 148.57 180 top
R71  30K  [R_Axial_DIN0207_L6.3mm_D2.5mm_P7.62mm_Horizontal]  58.12 154.69 0 top
R72  30K  [R_Axial_DIN0207_L6.3mm_D2.5mm_P7.62mm_Horizontal]  70.87 126.41 180 top
R73  30K  [R_Axial_DIN0207_L6.3mm_D2.5mm_P7.62mm_Horizontal]  70.87 129.46 180 top
R74  30K  [R_Axial_DIN0207_L6.3mm_D2.5mm_P7.62mm_Horizontal]  46.12 147.87 270 top
R75  30K  [R_Axial_DIN0207_L6.3mm_D2.5mm_P7.62mm_Horizontal]  90.32 74.31 270 top
R76  30K  [R_Axial_DIN0207_L6.3mm_D2.5mm_P7.62mm_Horizontal]  92.27 87.2 90 top
R77  30K  [R_Axial_DIN0207_L6.3mm_D2.5mm_P7.62mm_Horizontal]  68.72 96.61 180 top
R78  30K  [R_Axial_DIN0207_L6.3mm_D2.5mm_P7.62mm_Horizontal]  68.72 93.5 180 top
R79  30K  [R_Axial_DIN0207_L6.3mm_D2.5mm_P7.62mm_Horizontal]  71.12 87.2 180 top
R80  30K  [R_Axial_DIN0207_L6.3mm_D2.5mm_P7.62mm_Horizontal]  94.6 38.5 0 top
R81  500R  [R_Axial_DIN0207_L6.3mm_D2.5mm_P7.62mm_Horizontal]  87.22 74.31 270 top
R82  500R  [R_Axial_DIN0207_L6.3mm_D2.5mm_P7.62mm_Horizontal]  86.46 91.76 180 top
R83  15K  [R_Axial_DIN0207_L6.3mm_D2.5mm_P7.62mm_Horizontal]  55.61 28.71 0 top
R84  30K  [R_Axial_DIN0207_L6.3mm_D2.5mm_P7.62mm_Horizontal]  50.43 129.46 0 top